# KiCad board AmigaPCI Mainboard.kicad_pcb (continued)
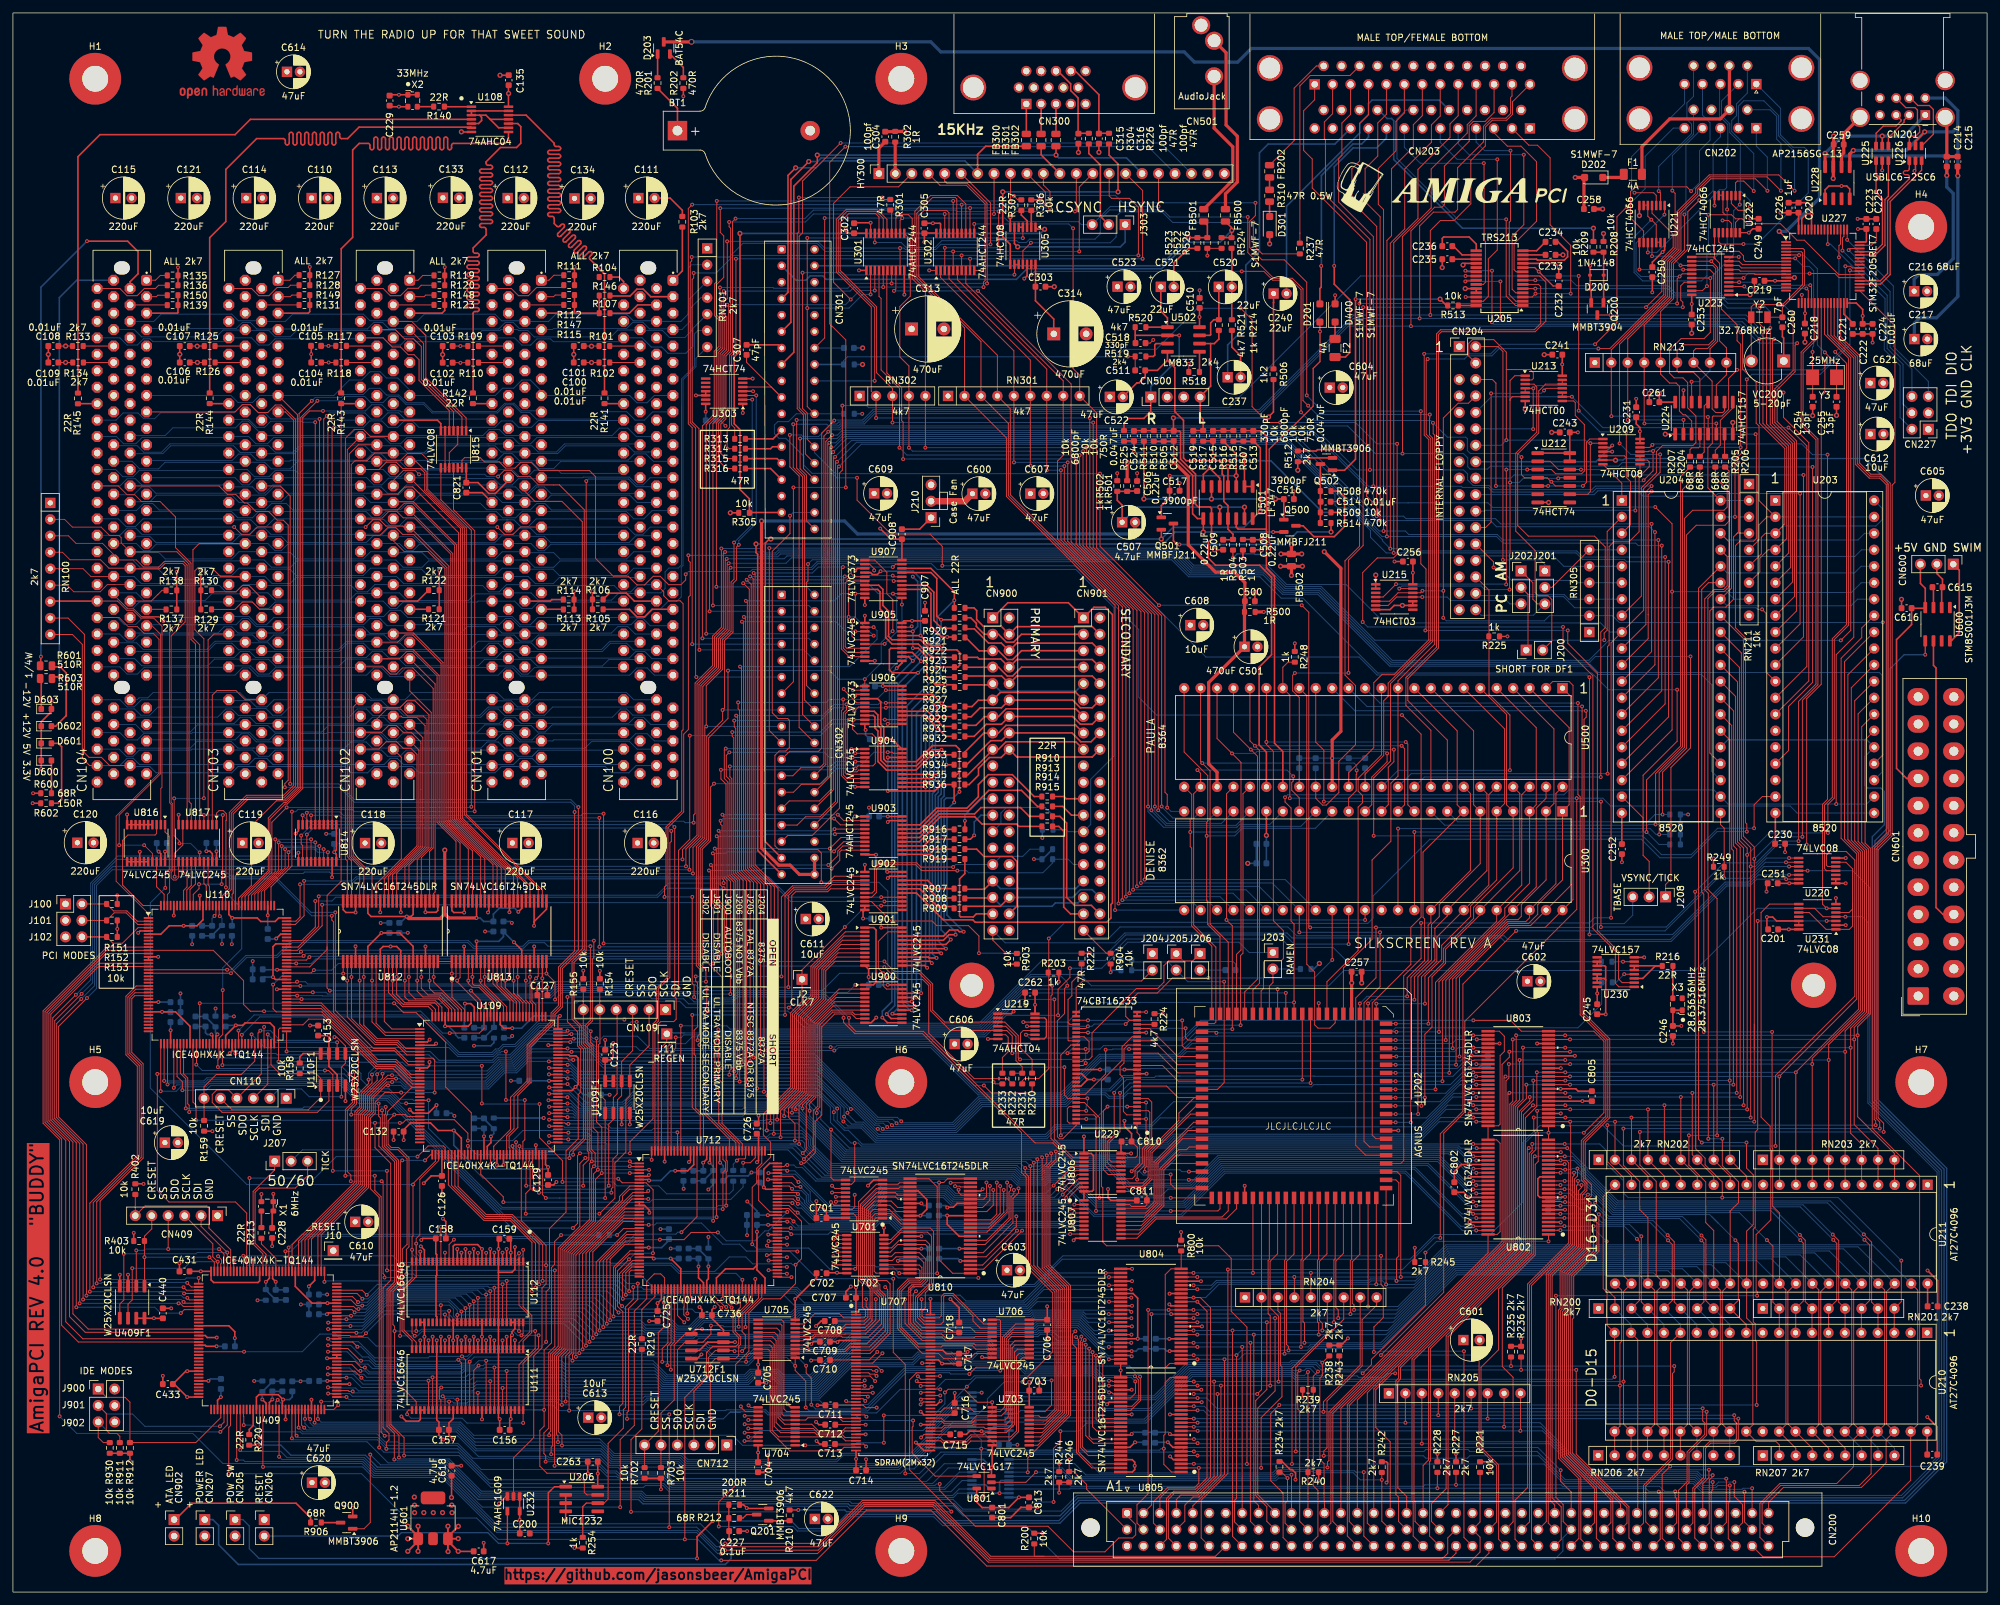
[diagram p0: board, top side]
## Routing (per net, layer and track width the routed paths; a pad name or vN(x,y) marks a point on that pad's centre or on a via; arc(x,y) is an arc through that point) (continued)
LVA21: length 154.3
  Top w0.15: v1(48.64,37.11) U409.15 ; U805.43 165.83,21.71 165.12,22.43 165.12,34.74 165.11,34.74 165.11,38.55 v1(165.49,38.92) ; U111.44 71.15,34.23 v1(71.89,34.97)
  Bottom w0.15: v1(165.49,38.92) 165.05,38.49 159.96,38.49 159.78,38.66 151.4,38.66 150.9,39.16 129.6,39.16 123.37,32.94 118.68,32.94 117.82,33.8 114.06,33.8 113.2,32.94 100.76,32.94 99.02,34.68 85.29,34.68 84.77,35.19 72.81,35.19 72.59,34.97 v1(71.89,34.97) 71.66,34.75 69.37,34.75 69.13,34.51 55.5,34.51 54.81,35.19 53.51,35.19 51.59,37.11 v1(48.64,37.11)
LVA22: length 137
  Top w0.15: v1(52.46,30.98) 51.89,30.98 51.77,31.11 U409.3 ; v1(71.79,30.76) 71.78,30.75 U111.45 ; U805.32 172.79,28.69 173.81,29.72 173.81,32.74 v1(173.23,33.32)
  Bottom w0.15: v1(173.23,33.32) 173.11,33.44 168.32,33.44 167.17,34.59 156.6,34.59 155.54,35.65 145.48,35.65 144.67,36.45 139.94,36.45 138.88,35.39 129.22,35.39 124.37,30.54 95.85,30.54 95.79,30.48 85.83,30.48 85.55,30.76 v1(71.79,30.76) 52.69,30.76 v1(52.46,30.98)
LVA23: length 153.2
  Top w0.15: U409.16 51.7,37.61 53.59,35.72 v1(53.73,35.72) ; U805.44 166.05,21.07 164.81,22.31 164.81,28.19 164.81,28.19 164.81,38.71 164.96,38.85 v1(164.96,39.45) ; 73.06,28.1 73.06,35.71 v1(73.06,35.72)
  Bottom w0.15: v1(164.96,39.45) 164.29,38.78 161.3,38.78 160.27,39.81 158.62,39.81 158.27,39.46 129.47,39.46 123.25,33.24 118.81,33.24 117.95,34.1 113.93,34.1 113.07,33.24 100.89,33.24 98.92,35.2 85.19,35.2 84.67,35.72 v1(73.06,35.72) 71.9,35.72 71.22,35.05 69.24,35.05 69.01,34.81 55.94,34.81 55.03,35.72 v1(53.73,35.72)
LVA24: length 142.3
  Top w0.15: U111.48 v1(73.69,32.56) ; v1(167.74,35.97) 167.74,26.78 168.37,26.15 U805.36 ; U409.8 v1(48.62,33.61)
  Bottom w0.15: v1(48.62,33.61) 48.65,33.63 52.51,33.63 54.04,32.11 71.15,32.11 71.61,32.57 85.02,32.57 85.53,32.06 99.53,32.06 100.14,31.44 123.99,31.44 130.22,37.66 150.25,37.66 151.16,36.76 155.71,36.76 156.5,35.97 v1(167.74,35.97)
LVA25: length 147.5
  Top w0.15: U805.41 166.82,22.98 165.64,24.16 165.64,38.18 v1(165.64,38.19) ; v1(74.33,34.67) 74.32,34.66 U111.49 ; U409.12 52.83,35.61 53.77,34.67 v1(54.33,34.67)
  Bottom w0.15: v1(54.33,34.67) 55.02,33.98 69.13,33.98 69.59,34.44 72.66,34.44 72.88,34.67 v1(74.33,34.67) 84.87,34.67 85.39,34.15 99.12,34.15 100.64,32.64 113.32,32.64 114.18,33.5 117.7,33.5 118.56,32.64 123.5,32.64 129.72,38.87 150.78,38.87 151.46,38.19 v1(165.64,38.19)
LVA26: length 142.9
  Top w0.15: v1(75.6,31.51) 75.59,31.51 U111.51 ; v1(174.03,33.27) 174.12,33.18 174.12,29.6 172.57,28.06 U805.33 ; U409.4 v1(48.64,31.61)
  Bottom w0.15: v1(174.03,33.27) 172.4,34.89 156.73,34.89 155.46,36.16 150.91,36.16 150.23,36.84 149.05,36.84 148.15,35.95 145.6,35.95 144.8,36.75 139.82,36.75 138.96,35.89 129.3,35.89 124.24,30.84 99.89,30.84 99.73,31 85.73,31 85.22,31.51 v1(75.6,31.51) 71.43,31.51 70.97,31.06 53.35,31.06 52.9,31.51 49.63,31.51 49.53,31.61 v1(48.64,31.61)
LVA27: length 146
  Top w0.15: U409.11 52.35,35.11 53.31,34.14 v1(53.65,34.14) ; v1(166.17,37.58) 166.17,37.58 166.17,24.06 166.61,23.62 171.03,23.62 ; U111.52 v1(76.23,34.14)
  Bottom w0.15: v1(166.17,37.58) 166.1,37.66 151.56,37.66 150.65,38.56 129.85,38.56 123.62,32.34 118.43,32.34 117.57,33.2 114.31,33.2 113.45,32.34 100.51,32.34 99.22,33.63 85.29,33.63 84.78,34.14 v1(76.23,34.14) 69.71,34.14 69.25,33.68 54.88,33.68 54.42,34.14 v1(53.65,34.14)
LVA28: length 137
  Top w0.15: v1(173.29,32.52) 173.31,32.5 173.31,30.71 172.56,29.96 U805.30 ; v1(66.37,30.23) 66.71,29.9 U111.37 ; v1(48.66,30.65) 48.7,30.61 U409.2
  Bottom w0.15: v1(173.29,32.52) 172.67,33.14 168.19,33.14 167.05,34.29 156.48,34.29 155.42,35.35 145.35,35.35 144.55,36.15 140.06,36.15 139,35.09 129.35,35.09 124.49,30.24 97.59,30.24 97.31,29.95 85.93,29.95 85.65,30.23 v1(66.37,30.23) 52.4,30.23 51.98,30.65 v1(48.66,30.65)
LVA29: length 138.3
  Top w0.15: v1(168.26,35.43) 168.26,27.03 168.51,26.79 U805.35 ; v1(66.13,31.58) 65.84,31.29 65.84,29.89 66.07,29.65 U111.36 ; U409.7 v1(51.5,33.11)
  Bottom w0.15: v1(168.26,35.43) 156.61,35.43 155.58,36.46 151.03,36.46 150.35,37.14 148.92,37.14 148.03,36.25 145.73,36.25 144.92,37.06 139.69,37.06 138.83,36.19 129.17,36.19 124.12,31.14 100.02,31.14 99.63,31.53 85.63,31.53 85.12,32.04 71.53,32.04 71.07,31.58 v1(66.13,31.58) 53.82,31.58 52.29,33.11 v1(51.5,33.11)
LVA30: length 140.4
  Top w0.15: U111.33 64.16,32.63 v1(64.16,32.63) ; U409.9 52.78,34.11 v1(53.8,33.09) ; v1(167.21,36.51) 167.21,26.72 168.42,25.52 U805.37
  Bottom w0.15: v1(53.8,33.09) 54.26,32.63 v1(64.16,32.63) 70.51,32.63 70.97,33.09 84.92,33.09 85.43,32.58 99.42,32.58 100.26,31.74 123.87,31.74 130.09,37.96 150.38,37.96 151.28,37.06 155.83,37.06 156.38,36.51 v1(167.21,36.51)
LVA31: length 145.9
  Top w0.15: U111.34 v1(64.8,33.16) ; U805.38 167.32,24.88 166.69,25.52 166.69,37.04 v1(166.69,37.04) ; v1(48.62,34.6) 49.99,34.6
  Bottom w0.15: v1(166.69,37.04) 156.27,37.04 155.95,37.36 151.44,37.36 150.53,38.26 129.97,38.26 123.74,32.04 118.31,32.04 117.45,32.9 114.43,32.9 113.57,32.04 100.39,32.04 99.32,33.1 85.4,33.1 84.88,33.62 70.34,33.62 69.88,33.16 v1(64.8,33.16) 54.62,33.16 54.16,33.62 52.95,33.62 51.97,34.6 v1(48.62,34.6)
LVAD0: length 16.9
  Top w0.15: U812.9 56.07,87.83 57.46,86.44 U109.2
LVAD1: length 15.2
  Top w0.15: U812.11 57.34,88.12 58.52,86.94 U109.1
LVAD2: length 77.1
  Top w0.15: U109.144 64.73,89.8 64.13,90.4 60.16,90.4 57.97,92.58 U812.12
  Top w0.25: U111.19 v1(67.34,39.43)
  In2.Cu w0.15: v1(57.97,94.97) 57.97,93.4 66.26,85.11 66.26,70.23 67.31,69.18 67.31,56.88 64.82,54.39 64.82,42.16 67.34,39.64 v1(67.34,39.43)
LVAD3: length 77.2
  Top w0.15: U812.13 v1(58.61,94.41) 58.61,92.37 60.28,90.7 64.51,90.7 65.23,89.98 U109.143
  Top w0.25: U111.17 v1(68.61,39.43)
  In2.Cu w0.15: v1(58.61,94.41) 58.61,93.19 66.56,85.24 66.56,70.36 67.62,69.3 67.62,56.76 65.12,54.26 65.12,42.29 66.41,40.99 67.05,40.99 v1(68.61,39.43)
LVAD4: length 78.1
  Top w0.15: U109.142 65.73,90.39 65.13,91 60.52,91 59.24,92.28 v1(59.24,94.97) 59.25,94.98 U812.14
  Top w0.25: 69.24,37.5 69.24,38.87
  In2.Cu w0.15: v1(69.24,38.87) 69.24,39.54 67.41,41.37 66.46,41.37 65.42,42.41 65.42,54.14 67.91,56.63 67.91,69.43 66.88,70.46 66.88,85.34 59.24,92.98 v1(59.24,94.97)
LVAD5: length 75.6
  Top w0.15: U109.139 67.23,90.06 65.69,91.6 62.1,91.6 61.14,92.56 v1(61.14,94.97) 61.15,94.98 U812.17
  Top w0.25: U111.15 v1(69.88,39.43)
  In2.Cu w0.15: v1(61.14,94.97) 61.14,94.95 67.98,88.11 67.98,84.03 67.49,83.54 67.49,70.7 68.51,69.68 68.51,56.38 67.32,55.19 67.32,47.24 67.97,46.59 67.97,42.52 69.88,40.61 v1(69.88,39.43)
LVAD6: length 60.5
  Top w0.15: U109.141 66.23,90.32 65.25,91.3 61.11,91.3 60.51,91.9 v1(60.51,94.41) 60.51,94.42 U812.16 ; v1(66.7,52.41) 66.71,52.4 U112.20
  In2.Cu w0.15: v1(60.51,94.41) 60.51,92.14 67.19,85.46 67.19,70.58 68.22,69.55 68.22,56.51 66.7,54.99 v1(66.7,52.41)
LVAD7: length 58.8
  Top w0.15: U109.138 67.73,89.98 65.82,91.9 63.3,91.9 62.42,92.78 v1(62.42,94.41) U812.19 ; v1(68.09,54.41) 67.34,53.67 U112.19
  In2.Cu w0.15: v1(62.42,94.41) 68.28,88.55 68.28,74.23 68.81,73.7 68.81,56.01 68.08,55.27 68.08,54.42 v1(68.09,54.41)
LVAD8: length 67.7
  Top w0.15: U109.3 57.54,85.94 55.44,88.04 U812.8 ; U112.21 v1(66.07,56.4)
  In2.Cu w0.15: v1(55.44,94.42) 56.59,93.27 57.68,93.27 65.96,84.99 65.96,76.58 64.81,75.44 64.81,71.25 67.01,69.05 67.01,57.34 v1(66.07,56.4)
LVAD9: length 58.4
  Top w0.15: U109.137 68.23,89.91 65.94,92.2 64.09,92.2 63.05,93.24 v1(63.05,94.97) 63.06,94.98 63.06,97.37
  Top w0.25: 68.61,51.04 v1(68.61,52.97)
  In2.Cu w0.15: v1(63.05,94.97) 63.05,94.94 68.58,89.41 68.58,74.36 69.12,73.82 69.12,55.88 68.61,55.38 v1(68.61,52.97)
LVAD10: length 56.6
  Top w0.15: U109.136 68.73,90.01 66.24,92.5 65.04,92.5 64.32,93.22 v1(64.32,94.41) 64.32,94.42 U812.22
  Top w0.25: 69.24,51.04 69.24,52.4
  In2.Cu w0.15: v1(64.32,94.41) 64.32,94.24 68.88,89.68 68.88,74.48 69.41,73.95 69.41,53.93 69.24,53.75 v1(69.24,52.41)
LVAD11: length 56.3
  Top w0.15: U812.23 v1(64.96,94.97) 64.96,94.2 69.23,89.93 U109.135
  Top w0.25: 69.88,51.04 v1(69.88,52.97)
  In2.Cu w0.15: v1(64.96,94.97) 64.96,94.02 69.18,89.8 69.18,74.61 69.72,74.07 69.72,55.31 69.88,55.14 v1(69.88,52.97)
LVAD12: length 54.7
  Top w0.15: U109.134 69.73,89.94 67.78,91.89 v1(67.78,94.41) 68.4,95.04 U813.2
  Top w0.25: 70.5,51.04 70.5,52.4
  In2.Cu w0.15: v1(70.51,52.41) 70.51,54.97 71.23,55.69 71.23,69.54 70.01,70.75 70.01,74.2 69.48,74.73 69.48,89.92 67.78,91.63 v1(67.78,94.41)
LVAD13: length 54.8
  Top w0.15: U109.130 71.73,91.07 68.57,94.23 v1(68.57,94.42) 69.04,94.89 U813.3
  Top w0.25: 71.15,51.04 v1(71.15,52.97)
  In2.Cu w0.15: v1(71.15,52.97) 71.16,52.98 71.16,54.57 71.53,54.94 71.53,69.66 70.31,70.88 70.31,74.32 69.78,74.86 69.78,90.05 68.57,91.26 v1(68.57,94.42)
LVAD14: length 58.3
  Top w0.15: U813.5 70.31,94.42 v1(70.31,94.41) 70.31,93.98 70.9,93.39 71.94,93.39 74.23,91.1 U109.125 ; U112.12 71.78,52.37 v1(71.79,52.37)
  In2.Cu w0.15: v1(71.79,52.37) 71.81,52.39 71.81,54.47 72.76,55.42 72.76,64.1 71.83,65.03 71.83,70.72 72.99,71.88 72.99,86.09 74.65,87.75 74.65,90.83 73.96,91.51 73.95,91.51 72.89,92.58 72.15,92.58 v1(70.31,94.41)
LVAD15: length 57.8
  Top w0.15: 73.06,51.05 73.06,52.38 v1(73.06,52.38) ; U813.6 70.94,94.99 v1(70.94,94.98) 70.94,93.95 71.2,93.69 72.06,93.69 74.73,91.02 U109.124
  In2.Cu w0.15: v1(73.06,52.38) 73.06,64.22 72.13,65.15 72.13,70.59 73.29,71.75 73.29,85.97 74.95,87.63 74.95,90.95 73.71,92.19 73.69,92.19 72.79,93.1 72.78,93.1 70.94,94.94 v1(70.94,94.98)
LVAD16: length 55.9
  Top w0.15: U109.122 75.73,90.45 72.21,93.97 v1(72.21,94.41) 72.21,94.42 U813.8
  Top w0.25: 73.69,51.04 v1(73.69,52.97)
  In2.Cu w0.15: v1(73.69,52.97) 73.7,52.98 73.7,64.38 72.91,65.17 72.91,66.83 74.38,68.3 74.38,83.02 75.25,83.89 75.25,91.34 72.21,94.38 v1(72.21,94.41)
LVAD17: length 58.2
  Top w0.15: U109.121 76.23,90.37 72.84,93.76 v1(72.84,94.98) 72.85,94.99 U813.9
  Top w0.25: 74.31,51.04 74.31,52.4
  In2.Cu w0.15: v1(72.84,94.98) 72.84,94.17 77.75,89.26 77.75,77.65 77,76.9 77,70.5 73.21,66.7 73.21,65.3 74.32,64.18 v1(74.32,52.41)
LVAD18: length 56.2
  Top w0.15: U813.11 74.12,94.99 v1(74.11,94.98) 74.12,94.98 74.12,93.92 76.73,91.31 U109.120
  Top w0.25: 75.59,51.04 75.59,52.4
  In2.Cu w0.15: v1(74.11,94.98) 74.11,93.33 78.06,89.38 78.06,77.53 77.31,76.78 77.31,70.26 76.31,69.26 76.31,55.44 75.59,54.72 v1(75.59,52.41)
LVAD19: length 55.3
  Top w0.15: U813.12 74.75,94.42 v1(74.75,94.41) 74.75,93.71 77.23,91.23 U109.119
  Top w0.25: 76.23,51.04 v1(76.23,52.97)
  In2.Cu w0.15: v1(74.75,94.41) 74.75,93.11 78.35,89.51 78.35,77.4 77.6,76.65 77.6,70.14 76.6,69.14 76.6,54.14 76.23,53.77 v1(76.23,52.97)
LVAD20: length 74.4
  Top w0.15: U813.13 75.39,94.99 v1(75.38,94.98) 75.38,93.52 76.99,91.9 76.99,91.9 77.73,91.16 U109.118
  Top w0.25: 70.5,37.5 70.5,38.87
  In2.Cu w0.15: v1(75.38,94.98) 75.38,92.91 78.66,89.63 78.66,77.28 77.91,76.53 77.91,75.19 78.66,74.44 78.66,69.83 78.73,69.76 78.73,67.03 77.09,65.39 77.09,55.28 79.47,52.91 79.47,50.12 70.51,41.16 v1(70.51,38.87)
LVAD21: length 73.5
  Top w0.15: U109.117 78.23,91.08 77.68,91.63 77.68,91.64 76.01,93.32 v1(76.01,94.41) 76.02,94.43 U813.14
  Top w0.25: U111.13 v1(71.15,39.43)
  In2.Cu w0.15: v1(71.15,39.43) 71.15,41.38 79.77,49.99 79.77,53.03 77.39,55.41 77.39,65.27 79.03,66.91 79.03,69.88 78.96,69.96 78.96,74.57 78.21,75.32 78.21,76.4 78.96,77.15 78.96,89.76 76.01,92.71 v1(76.01,94.41)
LVAD22: length 72.7
  Top w0.15: 77.4,92.34 78.31,91.43 78.31,91.42 78.73,91.01 U109.116 ; 77.4,92.34 77.29,92.45 v1(77.29,94.41) 77.29,94.42 U813.16 ; 77.4,92.34 77.29,92.45
  Top w0.25: 71.78,37.5 71.78,38.87
  In2.Cu w0.15: v1(77.29,94.41) 77.29,91.84 79.25,89.88 79.25,77.03 78.5,76.28 78.5,75.44 79.25,74.69 79.25,70.08 79.33,70.01 79.33,66.78 77.69,65.14 77.69,55.53 80.07,53.15 80.07,49.87 71.78,41.58 v1(71.78,38.87)
LVAD23: length 72.2
  Top w0.15: U109.115 79.23,90.93 78.87,91.29 78.87,91.3 78.12,92.04 ; U813.17 77.93,94.99 v1(77.93,94.98) 77.93,92.24 78.12,92.04 ; 78.12,92.04 77.93,92.24
  Top w0.25: 73.04,37.5 73.04,38.87
  In2.Cu w0.15: v1(73.05,38.87) 73.05,42.43 80.37,49.74 80.37,53.28 77.99,55.66 77.99,65.02 79.63,66.66 79.63,70.13 79.56,70.21 79.56,90 77.93,91.63 v1(77.93,94.98)
LVAD24: length 70.5
  Top w0.15: U109.114 79.73,90.86 79.19,91.4 v1(79.19,94.41) 79.2,94.42 U813.19
  Top w0.25: 73.69,37.5 v1(73.69,39.43)
  In2.Cu w0.15: v1(73.69,39.43) 73.69,42.29 80.67,49.27 80.67,53.4 78.29,55.78 78.29,64.89 79.93,66.53 79.93,70.25 79.85,70.33 79.85,90.15 79.19,90.81 v1(79.19,94.41)
LVAD25: length 71.9
  Top w0.15: U813.20 79.83,94.99 v1(79.83,94.98) 79.83,91.18 80.23,90.78 U109.113
  Top w0.25: 74.31,37.5 74.31,38.86
  In2.Cu w0.15: v1(74.32,38.87) 74.32,42.5 80.97,49.14 80.97,53.53 78.59,55.9 78.59,64.77 81.31,67.48 81.31,69.3 80.16,70.45 80.16,90.27 79.49,90.94 79.49,93.52 79.83,93.86 v1(79.83,94.98)
LVAD26: length 71.3
  Top w0.15: U109.112 80.73,90.7 80.13,91.3 80.13,94.13 v1(80.78,94.77) 81.1,95.1 U813.22
  Top w0.25: 75.59,37.5 75.59,38.86
  In2.Cu w0.15: v1(75.59,38.87) 75.59,43.34 81.27,49.02 81.27,53.65 80.49,54.43 80.49,60.33 79.77,61.05 79.77,65.52 81.6,67.36 81.6,69.43 80.46,70.58 80.46,90.39 79.79,91.06 79.79,93.4 80.38,93.99 80.38,94.38 v1(80.78,94.77)
LVAD27: length 72.3
  Top w0.15: U813.23 81.74,94.78 v1(81.73,94.77) ; U109.110 81.73,97.37
  Top w0.25: 76.23,37.5 v1(76.23,39.43)
  In2.Cu w0.15: v1(81.73,94.77) 81.59,94.77 80.09,93.27 80.09,91.18 80.75,90.52 80.75,70.7 81.91,69.55 81.91,67.24 81.75,67.08 81.75,49.07 76.23,43.56 v1(76.23,39.43)
LVAD28: length 82.4
  Top w0.15: U812.6 54.16,87.54 56.27,85.44 U109.4
  Top w0.25: 66.69,37.5 66.69,38.87
  In2.Cu w0.15: v1(54.17,94.98) 54.17,94.2 63.04,85.33 63.04,71.75 65.04,69.75 65.04,55.04 64.52,54.51 64.52,42.04 66.7,39.86 v1(66.7,38.87)
LVAD29: length 83
  Top w0.15: U812.5 53.53,87.76 56.15,85.14 59.47,85.14 60.67,83.94 U109.7
  Top w0.25: U111.21 v1(66.07,39.43)
  In2.Cu w0.15: v1(53.53,94.42) 62.75,85.2 62.75,71.63 64.75,69.63 64.75,55.16 64.22,54.64 64.22,41.91 66.07,40.06 v1(66.07,39.43)
LVAD30: length 85.1
  Top w0.15: U109.9 60.82,82.94 59.22,84.54 55.9,84.54 51.62,88.81 U812.2
  Top w0.25: 64.16,37.5 64.16,38.87
  In2.Cu w0.15: v1(51.6,94.42) 52.24,94.42 62.15,84.51 62.15,71.38 64.15,69.38 64.15,55.41 63.62,54.88 63.62,41.66 64.17,41.11 64.17,38.88 v1(64.16,38.87)
LVAD31: length 84.6
  Top w0.15: U109.8 60.75,83.44 59.35,84.84 56.02,84.84 52.26,88.6 U812.3
  Top w0.25: U111.23 v1(64.8,39.43)
  In2.Cu w0.15: v1(52.26,94.98) 52.26,94.95 62.44,84.76 62.44,71.5 64.44,69.5 64.44,55.28 63.92,54.76 63.92,41.79 64.8,40.91 v1(64.8,39.43)
LVC1: length 115.1
  Top w0.15: v1(44.5,116.82) 44.5,115.51 44.72,115.28 U814.12 ; U712.142 99.62,87.69 100.02,88.09 102.03,88.09 102.4,88.46 102.4,91.7 102.18,91.92 102.18,118.08 v1(102.13,118.13)
  Bottom w0.15: v1(44.5,116.82) 44.5,116.83 46.17,118.5 101.75,118.5 v1(102.13,118.13)
LVC3: length 111.5
  Top w0.15: v1(101.65,117.53) 101.65,115.91 101.43,115.69 101.43,94.9 99.63,93.11 99.63,88.13 99.12,87.61 U712.143 ; v1(45.38,116.97) 45.38,116.96 U814.13
  Bottom w0.15: v1(45.38,116.97) 46.39,117.98 101.2,117.98 v1(101.65,117.53)
LVCLK7: length 149.3
  Top w0.15: U902.12 v1(134.05,105.99) ; v1(119.56,58.7) U712.93 116.89,58.7 115.14,60.45 115.14,65.31 116.99,67.16 116.99,69.45 115.87,70.57 115.87,73.81 120.07,78.02 120.07,89.44 121.83,91.2 J2.1 121.83,96.08 v1(128.44,102.69) ; v1(99.89,54.42) 103.61,54.42 104.72,55.53 v1(108.84,55.53) ; v1(42.06,52.62) 42.09,52.59 U409.49
  Bottom w0.15: v1(42.06,52.62) 42.92,52.62 45.24,54.94 75.78,54.94 76.12,54.6 80.54,54.6 81.49,53.65 94.92,53.65 95.68,54.42 v1(99.89,54.42) ; v1(119.56,58.7) 116.63,55.77 116.1,55.77 114.57,54.24 110.13,54.24 v1(108.84,55.53) ; v1(134.05,105.99) 131.74,105.99 v1(128.44,102.69)
LVD0: length 247.2
  Top w0.15: 227.75,55.84 225.93,55.84 ; U704.11 113.88,28.51 v1(113.57,28.82) ; v1(121.71,66.23) 122.24,66.23 123.87,67.86 123.87,72.67 124.87,73.67 124.87,87.27 126.86,89.26 129.5,89.26 130.2,88.56 U900.9 ; U109.62 77.23,68.47 77.13,68.57 v1(77.13,68.88)
  In2.Cu w0.15: v1(121.71,66.23) 121.71,64.48 108.5,51.27 105.73,51.27 103.12,48.67 103.12,38.71 113.01,28.82 v1(113.57,28.82)
  Bottom w0.15: v1(225.93,55.84) 223.77,55.84 214.93,64.69 187.15,64.69 180.49,58.02 166.89,58.02 161.61,63.3 159.91,63.3 159.46,62.85 155.03,62.85 154.12,63.76 124.17,63.76 v1(121.71,66.23) 119.65,68.28 83.76,68.28 83.31,67.83 78.05,67.83 77.13,68.76 v1(77.13,68.88)
LVD1: length 249.2
  Top w0.15: U704.12 113.07,27.87 112.39,28.54 v1(112.39,28.66) ; 77.68,67.58 v1(77.68,69.47) ; v1(122.12,66.85) 123.57,68.3 123.57,74.32 124.27,75.02 124.27,87.7 126.43,89.86 U900.7 ; 227.75,56.48 225.46,56.48
  In2.Cu w0.15: v1(122.12,66.85) 121.59,66.85 120.98,66.25 120.98,64.18 108.38,51.57 105.61,51.57 102.82,48.79 102.82,38.11 112.27,28.66 v1(112.39,28.66)
  Bottom w0.15: v1(225.46,56.48) 223.56,56.48 215.05,64.99 187.03,64.99 180.36,58.32 167.01,58.32 161.74,63.6 159.79,63.6 159.34,63.15 155.16,63.15 154.24,64.06 124.91,64.06 v1(122.12,66.85) 120.39,68.58 83.64,68.58 83.19,68.13 78.18,68.13 77.68,68.63 v1(77.68,69.47)
LVD2: length 247.8
  Top w0.15: U900.5 126.88,91.16 123.67,87.95 123.67,76.53 122.49,75.34 122.49,68.32 v1(121.94,67.77) ; 227.75,57.75 225.94,57.75 ; U109.64 78.23,68.82 v1(78.21,68.85) ; U704.13 112.99,27.21 v1(112.98,27.21)
  In2.Cu w0.15: v1(112.98,27.21) 102.53,37.66 102.53,48.92 105.51,51.9 108.28,51.9 120.68,64.3 120.68,66.37 121.94,67.63 v1(121.94,67.77)
  Bottom w0.15: v1(78.21,68.85) 78.62,68.44 83.06,68.44 83.51,68.88 120.83,68.88 v1(121.94,67.77) 125.35,64.37 154.37,64.37 155.28,63.45 159.21,63.45 159.66,63.9 162.72,63.9 167.17,59.44 181.06,59.44 186.9,65.29 216.38,65.29 223.91,57.75 v1(225.94,57.75)
LVD3: length 246.2
  Top w0.15: v1(121.38,69.19) 121.38,75.09 123.07,76.78 123.07,88.2 127.33,92.46 U900.3 ; 227.75,58.38 225.45,58.38 ; v1(113.54,26.57) 113.54,26.56 U704.14 ; U109.73 v1(82.76,69.44)
  In2.Cu w0.15: v1(121.38,69.19) 121.38,67.49 120.38,66.49 120.38,64.43 108.15,52.2 105.38,52.2 102.22,49.04 102.22,37.22 112.88,26.57 v1(113.54,26.57)
  Bottom w0.15: 120.03,69.19 v1(121.38,69.19) 121.38,69.08 125.79,64.66 154.49,64.66 155.41,63.75 159.09,63.75 159.54,64.2 162.84,64.2 167.3,59.75 180.93,59.75 186.78,65.59 216.5,65.59 223.7,58.39 v1(225.45,58.39) ; 120.03,69.19 91.68,69.19 91.5,69.37 82.84,69.37 v1(82.76,69.44) ; 120.03,69.19 121.27,69.19
LVD4: length 249.5
  Top w0.15: U901.8 127.18,98.05 125.19,96.06 125.19,91.59 122.17,88.57 122.17,77.15 119.74,74.72 119.74,73.34 120.74,72.34 v1(120.74,69.71) ; 227.75,59.65 225.94,59.65 ; U109.74 85.7,69.94 v1(85.75,69.89) ; U704.15 112.99,25.91 v1(112.98,25.92)
  In2.Cu w0.15: v1(120.74,69.71) 120.74,67.28 120.08,66.62 120.08,64.55 108.03,52.5 105.26,52.5 101.93,49.16 101.93,36.97 v1(112.98,25.92)
  Bottom w0.15: v1(85.75,69.89) 88.9,69.89 89.08,69.71 v1(120.74,69.71) 121.82,69.71 122.22,69.31 122.22,68.66 125.92,64.96 154.62,64.96 155.53,64.05 158.96,64.05 159.41,64.5 162.97,64.5 167.42,60.05 180.81,60.05 186.65,65.89 218.39,65.89 224.62,59.65 v1(225.94,59.65)
LVD5: length 253.7
  Top w0.15: v1(113.54,25.26) 113.54,25.26 U704.16 ; U109.75 v1(82.79,70.44) ; v1(118.52,70.24) 118.51,70.24 118.51,74.34 121.57,77.4 121.57,88.82 124.41,91.65 124.41,96.13 127.63,99.35 U901.6 ; 227.75,60.29 225.44,60.29
  In2.Cu w0.15: v1(113.54,25.26) 112.9,25.26 101.62,36.53 101.62,49.29 105.14,52.8 107.9,52.8 118.52,63.42 v1(118.52,70.24)
  Bottom w0.15: v1(82.79,70.44) 82.81,70.41 88.8,70.41 89.2,70.01 116.57,70.01 116.8,70.24 v1(118.52,70.24) 122,70.24 122.53,69.7 122.53,68.78 126.04,65.26 154.74,65.26 155.66,64.35 158.84,64.35 159.29,64.8 163.09,64.8 167.55,60.34 180.68,60.34 186.53,66.19 218.51,66.19 224.41,60.29 v1(225.44,60.29)
LVD6: length 252.9
  Top w0.15: 115.05,24.62 112.97,24.62 v1(112.97,24.61) ; 227.75,61.56 225.94,61.56 ; U901.4 128.08,100.65 123.81,96.38 123.81,91.9 120.97,89.07 120.97,77.65 117.47,74.14 117.47,70.76 v1(117.47,70.76) ; U109.76 v1(85.75,70.94)
  In2.Cu w0.15: v1(112.97,24.61) 101.32,36.25 101.32,49.41 105.01,53.1 107.78,53.1 118.22,63.54 118.22,68.92 117.47,69.67 v1(117.47,70.76)
  Bottom w0.15: v1(225.94,61.56) 224.88,61.56 219.96,66.49 186.41,66.49 182.14,62.22 178.34,62.22 177.29,61.17 173.16,61.17 169.23,65.1 159.16,65.1 158.71,64.65 155.78,64.65 154.87,65.56 126.17,65.56 122.82,68.91 122.82,69.83 121.89,70.76 v1(117.47,70.76) 116.9,70.76 116.45,70.31 89.33,70.31 88.7,70.94 v1(85.75,70.94)
LVD7: length 257.4
  Top w0.15: U109.78 v1(82.79,71.94) ; v1(116.39,71.28) 116.39,73.92 120.37,77.9 120.37,89.32 123.21,92.15 123.21,96.63 128.53,101.95 U901.2 ; v1(113.54,23.96) 113.54,23.96 U704.18 ; 227.75,62.19 225.45,62.19
  In2.Cu w0.15: v1(116.39,71.28) 116.39,70.33 117.92,68.8 117.92,63.66 107.66,53.4 104.89,53.4 101.03,49.54 101.03,35.81 112.88,23.96 v1(113.54,23.96)
  Bottom w0.15: v1(82.79,71.94) 85,71.94 85.17,71.76 91.55,71.76 92.03,71.28 98.6,71.28 98.9,71.58 115.6,71.58 115.9,71.28 v1(116.39,71.28) 121.79,71.28 123.12,69.95 123.12,69.03 126.29,65.87 155.02,65.87 155.94,64.95 158.59,64.95 159.04,65.4 169.35,65.4 172.23,62.52 182.01,62.52 186.28,66.79 220.08,66.79 224.68,62.19 v1(225.45,62.19)
LVD8: length 233.2
  Top w0.15: v1(116.94,72.44) 116.94,74.04 120.67,77.77 120.67,89.19 123.51,92.03 123.51,96.5 128.3,101.3 U901.3 ; v1(156.29,65.47) 156.29,64.71 156.79,64.21 156.79,50.43 160.88,46.34 160.88,28.29 159.57,26.98 158.63,26.98 158.39,27.21 U703.18 ; U109.79 85.21,72.44 85.36,72.29 v1(85.75,72.29) ; 227.75,62.83 225.92,62.83
  Bottom w0.15: v1(225.92,62.83) 224.46,62.83 220.21,67.09 186.16,67.09 181.89,62.82 172.36,62.82 169.48,65.7 158.92,65.7 158.47,65.25 156.74,65.25 156.51,65.47 v1(156.29,65.47) 155.6,66.16 126.41,66.16 123.43,69.15 123.43,70.08 121.07,72.44 v1(116.94,72.44) 97.47,72.44 96.66,71.62 92.34,71.62 91.68,72.29 v1(85.75,72.29)
LVD9: length 233.1
  Top w0.15: v1(157.09,65.77) 157.09,50.55 161.18,46.46 161.18,28.17 159.58,26.56 U703.17 ; U109.80 v1(82.79,72.94) ; v1(117.99,72.96) 117.99,74.24 121.27,77.52 121.27,88.94 124.11,91.78 124.11,96.25 127.85,100 U901.5 ; 227.75,63.46 225.47,63.46
  Bottom w0.15: v1(82.79,72.94) 84.88,72.94 85.01,72.81 116.15,72.81 116.29,72.96 v1(117.99,72.96) 121.47,72.96 127.96,66.46 156.4,66.46 v1(157.09,65.77) 158.57,65.77 158.79,66 169.6,66 172.48,63.12 181.76,63.12 186.03,67.39 220.33,67.39 224.26,63.46 v1(225.47,63.46)
LVD10: length 227.8
  Top w0.15: 227.75,64.74 225.94,64.74 ; v1(85.63,73.34) 85.31,73.34 85.21,73.44 U109.81 ; U703.16 159.35,25.91 161.48,28.04 161.48,46.59 157.62,50.45 v1(157.62,66.3) ; v1(119.08,73.49) 119.08,74.48 121.87,77.28 121.87,88.69 124.89,91.71 124.89,96.19 127.4,98.7 U901.7
  Bottom w0.15: v1(225.94,64.73) 224.6,64.73 221.65,67.69 180.31,67.69 178.27,65.65 171.57,65.65 170.92,66.3 v1(157.62,66.3) 157.16,66.76 128.09,66.76 121.37,73.49 v1(119.08,73.49) 118.41,74.16 113.35,74.16 112.68,73.49 95.38,73.49 95.1,73.21 86.69,73.21 86.56,73.34 v1(85.63,73.34)
LVD11: length 229.5
  Top w0.15: U703.15 159.13,25.26 161.78,27.92 161.78,46.71 158.16,50.33 v1(158.16,66.84) ; 227.75,65.37 225.49,65.37 ; v1(120.28,74.01) 120.28,74.84 122.47,77.03 122.47,88.45 125.49,91.46 125.49,95.94 126.95,97.4 U901.9 ; U109.82 v1(82.79,73.94)
  Bottom w0.15: v1(82.79,73.94) 84.96,73.94 85.03,73.87 86.46,73.87 86.82,73.51 94.98,73.51 95.48,74.01 112.78,74.01 113.23,74.46 119.19,74.46 119.64,74.01 v1(120.28,74.01) 121.27,74.01 128.21,67.06 157.94,67.06 v1(158.16,66.84) 158.4,66.6 171.05,66.6 171.69,65.95 178.15,65.95 180.18,67.99 221.77,67.99 224.39,65.37 v1(225.49,65.37)
LVD12: length 222.1
  Top w0.15: v1(120.84,74.53) 120.84,74.97 122.77,76.9 122.77,88.32 127.56,93.11 U900.2 ; v1(85.63,74.39) 85.58,74.44 U109.83 ; v1(158.91,67.13) 158.91,50.01 162.08,46.84 162.08,27.79 158.9,24.62 156.91,24.62 ; 227.75,66.64 225.94,66.64
  Bottom w0.15: 158.67,67.37 159.13,66.9 171.17,66.9 171.82,66.25 178.02,66.25 180.06,68.29 222.98,68.29 224.63,66.64 v1(225.94,66.64) ; 158.67,67.37 128.34,67.37 121.17,74.53 v1(120.84,74.53) 120.62,74.76 112.81,74.76 112.59,74.53 95.58,74.53 94.85,73.81 86.94,73.81 86.36,74.39 v1(85.63,74.39) ; 158.67,67.37 v1(158.91,67.13)
LVD13: length 224.2
  Top w0.15: U900.4 127.11,91.81 123.37,88.07 123.37,76.65 121.91,75.19 v1(121.91,74.68) ; U703.13 158.68,23.96 162.38,27.67 162.38,46.96 159.21,50.13 159.21,65.86 159.63,66.28 v1(159.63,67.43) ; U109.84 v1(82.79,74.94) ; 227.75,67.27 225.48,67.27
  Bottom w0.15: v1(225.48,67.28) 224.41,67.28 223.11,68.59 179.93,68.59 177.9,66.56 171.94,66.56 171.29,67.2 159.85,67.2 v1(159.63,67.43) 159.39,67.66 128.46,67.66 121.91,74.22 v1(121.91,74.68) 121.53,75.06 95.68,75.06 94.73,74.11 87.07,74.11 86.26,74.91 82.81,74.91 v1(82.79,74.94)
LVD14: length 221.3
  Top w0.15: U703.12 158.45,23.31 162.68,27.54 162.68,47.09 159.51,50.26 159.51,65.74 160.31,66.54 v1(160.31,67.74) ; U900.6 126.66,90.51 123.97,87.82 123.97,76.41 123.01,75.44 v1(123.01,74.32) ; 227.75,68.55 226.01,68.55 ; U109.85 v1(85.62,75.44)
  Bottom w0.15: v1(85.62,75.44) 86.16,75.44 87.19,74.41 94.6,74.41 95.55,75.36 121.97,75.36 v1(123.01,74.32) 123.01,73.54 128.58,67.96 160.09,67.96 v1(160.31,67.74) 160.55,67.5 171.42,67.5 172.07,66.85 177.78,66.85 179.81,68.89 223.23,68.89 223.58,68.54 v1(226.01,68.54)
LVD15: length 221.9
  Top w0.15: U109.87 85.59,76.44 v1(85.61,76.41) ; v1(161.02,68.03) 161.02,66.83 159.81,65.61 159.81,50.38 162.98,47.21 162.98,27.42 158.22,22.66 U703.11 ; 227.75,69.18 225.46,69.18 ; v1(124.09,73.98) 124.09,74.42 124.57,74.9 124.57,87.58 126.56,89.56 129.62,89.56 129.97,89.21 U900.8